# Altium PCB CarrierBoard.PcbDoc (part 2 of 2)
Units mil, origin at the board's own origin, x right, y up, seen from the top; angles counter-clockwise.
Board outline 6375.03 x 4175.03 mil, 4 copper layers (Top Layer, GND1, GND2, Bottom Layer), stack 53.912 mil thick; 102 components, 84 nets, 400 pads, 390 vias.
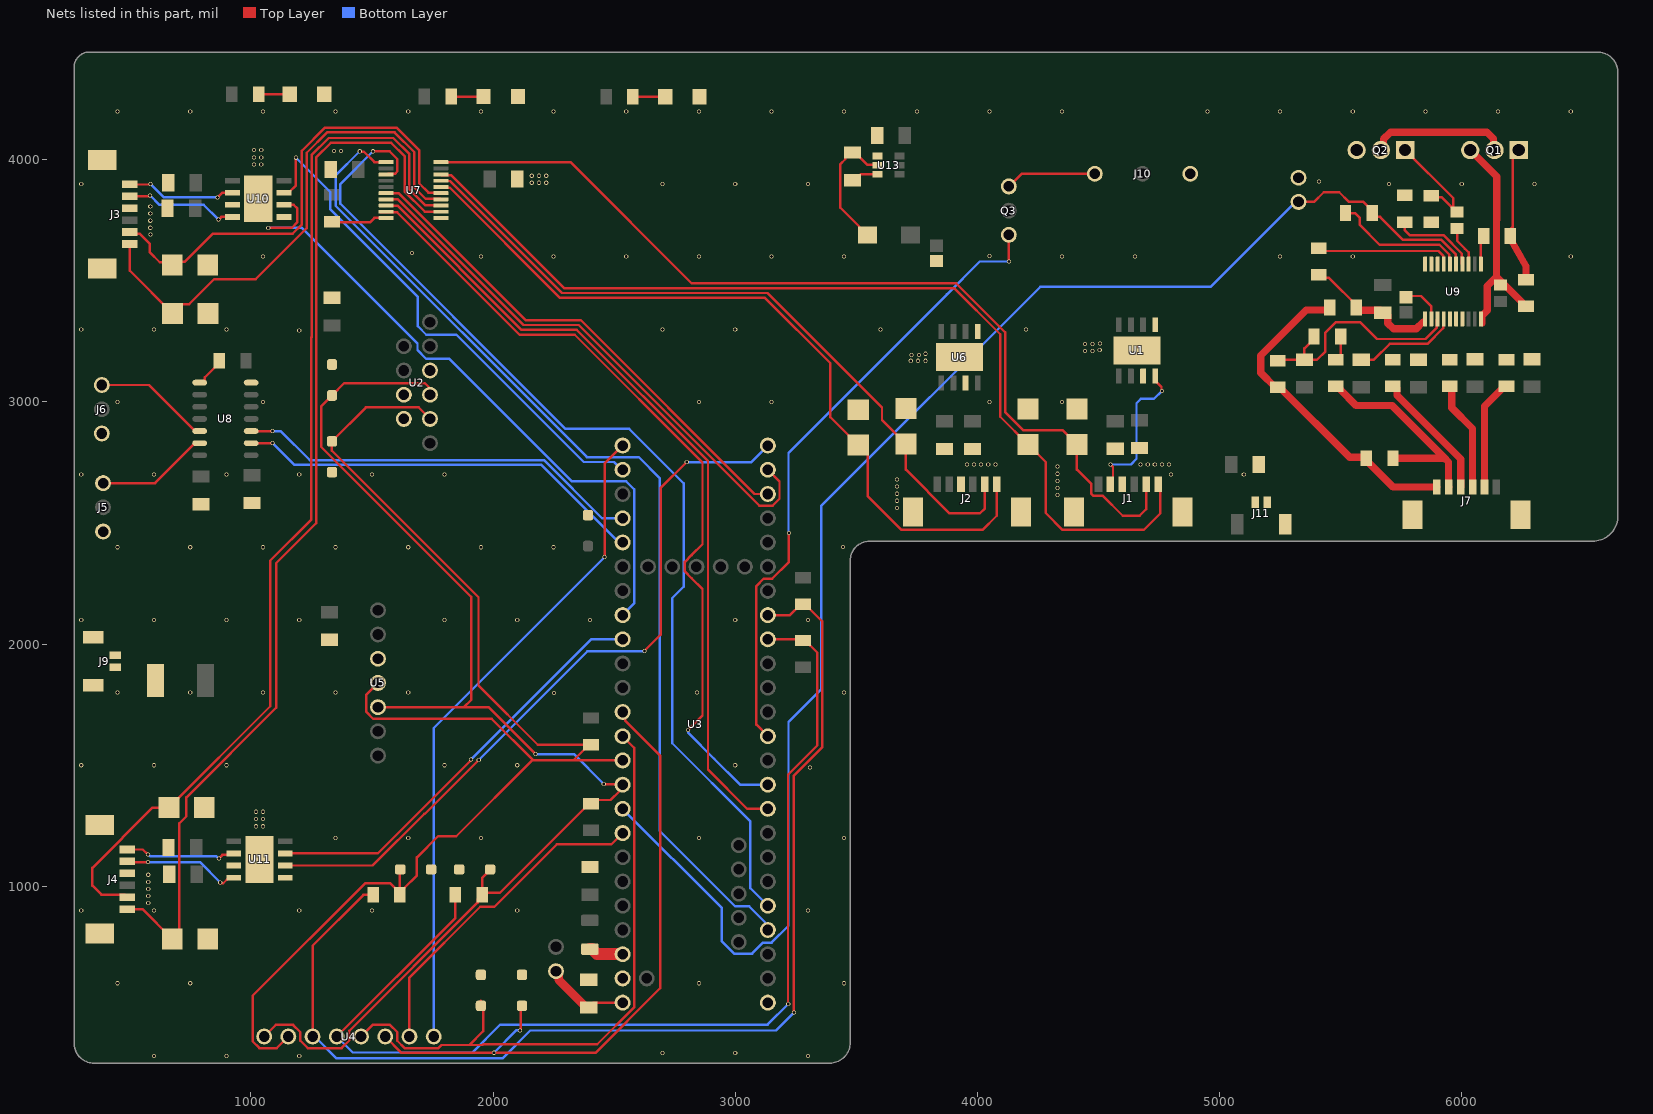
[diagram p4: the nets of this part, all layers, seen from the top]

## Via types
v1: diameter 17, hole 12, Top Layer to Bottom Layer, tented both sides, 385 vias
v2: diameter 130, hole 118.11, Top Layer to Bottom Layer, 5 vias

## Nets (pads, with @x,y where several pads share a name; then routed paths per layer and width w, separated by ;. In a path a pad name is that pad's centre, name@x,y a point inside that pad or via, vN(x,y) a via of type N, cw(c..) or ccw(c..) an arc to the next point about the centre after c; other vN are vias at no path point) (continued)
BR_OUT2: J1.2 U1.8 | length 635.6
  Top Layer w10: J1.2@4549.21,2660 4559.96,2670.75 4559.96,2731.14 4549.98,2741.12 v1(4549.98,2742) ; U1.8@4734,3106.7 4735.7,3105 4736,3105 4736,3086 4760.13,3061.87 4760.13,3047.79 v1(4762.05,3045.87)
  Bottom Layer w10: v1(4549.98,2742) 4633.5,2742 4656.91,2765.41 4656.91,2994.91 4675.1,3013.11 4729.28,3013.11 v1(4762.05,3045.87)
BR_PhaseA: U3.3 U7.1 | length 4258.3
  Top Layer w10: v1(1450,4035) 1451.91,4033.09 1467.23,4033.09 1510.16,3990.16 U7.1@1534.76,3990.16
  Bottom Layer w10: v1(1450,4035) 1350,3935 1350,3810 2387.78,2772.22 2601.78,2772.22 2687.78,2686.22 2687.78,1229.58 2999.58,917.78 3057.22,917.78 3124.37,850.63 3124.37,830.63 U3.3@3135,820
BR_PhaseB: U3.4 U7.3 | length 4304.9
  Top Layer w10: v1(1505,4035) 1573.17,4035 1604.91,4003.26 1604.91,3951.46 1594.94,3941.5 1567.26,3941.5 U7.3@1565.46,3939.7
  Bottom Layer w10: v1(1505,4035) 1370,3900 1370,3818.28 2299.28,2889 2562.43,2889 2787.78,2663.66 2787.78,2237.78 2740,2190 2740,1590.87 3062.7,1268.17 3062.7,992.3 U3.4@3135,920
CTRL1: U3.43 U8.2 | length 1703.5
  Top Layer w10: U8.2@1001.3,2830 v1(1090,2830)
  Bottom Layer w10: v1(1090,2830) 1180,2740 2200,2740 2520,2420 U3.43@2535,2420
CTRL2: U3.44 U8.3 | length 1682.8
  Top Layer w10: U8.3@1001.3,2880 v1(1090,2880)
  Bottom Layer w10: v1(1090,2880) 1123.28,2880 1243.28,2760 2210,2760 2450,2520 U3.44@2535,2520
FL_IN1: U3.39 U11.3 | length 1759.6
  Top Layer w10: U11.3@1142.3,1136 1524,1136 v1@1910,1522
  Bottom Layer w10: v1(1908.65,1523.56) 2405.09,2020 U3.39@2535,2020
FL_IN2: U3.23 U11.2 | length 3066.1
  Top Layer w10: U11.2@1142.3,1086 1502.77,1086 1716.68,1299.91 1718.91,1299.91 v1(1941,1522) ; v1(2625.65,1972.56) 2692.22,2039.13 2692.22,2644.22 v1(2800,2752)
  Bottom Layer w10: v1(1941,1522) 2390,1971 v1@2627,1971 ; v1(2800,2752) 3067,2752 U3.23@3135,2820
FL_OUT1: J4.1 U11.6 | length 466.6
  Top Layer w10: J4.1@490,1152.21 553.85,1152.21 575,1131.07 v1(575,1130.93) ; v1@865,1113 866,1113 882.78,1129.78 921.66,1129.78 U11.6@928.29,1136.41
  Bottom Layer w10: v1(575,1130.93) 577.71,1130.93 583.64,1125 856.37,1125 865.69,1115.68 v1(868.39,1115.68)
FL_OUT2: J4.2 U11.8 | length 481.7
  Top Layer w10: J4.2@493,1100 v1(575,1100) ; v1@872,1013 886.18,1013 909.59,1036.41 U11.8@928.29,1036.41
  Bottom Layer w10: v1(575,1100) 790.29,1100 v1(874,1016.29)
FL_PhaseA: U3.8 U7.8 | length 3378
  Top Layer w10: U7.8@1534.76,3811.02 1605.09,3811.02 2118.34,3297.78 2345.66,3297.78 2887.78,2755.66 2887.78,1482.22 3050,1320 U3.8@3135,1320
FL_PhaseB: U3.9 U7.9 | length 3374.8
  Top Layer w10: U7.9@1537.28,3782.91 1604.91,3782.91 2110.05,3277.78 2337.37,3277.78 2865,2750.15 2865,2412.56 2820,2367.56 2792.22,2339.79 2792.22,2300.21 2820,2272.44 2865,2227.44 2865,1705 v1(2805,1645)
  Bottom Layer w10: v1(2805,1645) 2806.91,1643.09 2806.91,1633.09 2913.46,1526.54 3020,1420 U3.9@3135,1420
FR_IN1: U3.46 U10.3 | length 2172.7
  Top Layer w10: U10.3@1137,3864 1155.7,3864 1186,3894.3 v1@1186,4010
  Bottom Layer w10: v1(1185.87,4008.64) 1328.6,3865.9 1328.6,3795.4 1690,3434 1690,3312.44 1724.66,3277.78 1849.22,3277.78 2374.78,2752.22 2499.66,2752.22 2531.88,2720 U3.46@2535,2720
FR_IN2: U3.40 U10.2 | length 2760.4
  Top Layer w10: v1(1072,3719) 1169,3719 1190.94,3740.94 1190.94,3800.39 1177.33,3814 U10.2@1137,3814
  Bottom Layer w10: v1(1072,3719) 1210.7,3719 1688.26,3241.43 1688.26,3214.17 1724.66,3177.78 1820.51,3177.78 2326.06,2672.22 2550.34,2672.22 2582.78,2639.79 2582.78,2167.78 U3.40@2535,2120
FR_OUT1: J3.1 U10.6 | length 457
  Top Layer w10: J3.1@500,3898.43 500.43,3898 v1@585,3898 ; v1(863,3845) 882.41,3864.41 U10.6@927.29,3864.41
  Bottom Layer w10: v1(586.44,3900.34) 641.78,3845 v1(863,3845)
FR_OUT2: J3.2 U10.8 | length 475.5
  Top Layer w10: J3.2@500,3849.21 582.21,3849.21 v1@584,3851 ; v1@865,3751 878.41,3764.41 U10.8@927.29,3764.41
  Bottom Layer w10: v1(584.55,3852.44) 622.99,3814 805.78,3814 v1(866.44,3753.34)
FR_PhaseA: U3.21 U7.6 | length 2114.8
  Top Layer w10: U7.6@1534.76,3862.2 1610.47,3862.2 2134.9,3337.78 2362.22,3337.78 3080,2620 U3.21@3135,2620
FR_PhaseB: U3.22 U7.7 | length 2322.9
  Top Layer w10: U7.7@1534.76,3836.61 1607.78,3836.61 2126.62,3317.78 2353.94,3317.78 3099.49,2572.22 3154.79,2572.22 3182.78,2600.21 3182.78,2672.22 U3.22@3135,2720
GND: C7.1 C8.1 C10.1 C12.1 C13.1 C14.1 C15.1 C16.2 C17.2 C18.2 C19.2 C20.2 C21.2 C22.2 C23.2 C24.2 C25.2 C26.2 C27.2 D0.C D1.C D2.C D3.C D4.C D5.C D6.C D7.2 D8.2 D9.2 D10.2 D11.2 D12.2 D13.2 D14.2 D16.2 D17.2 D18.2 J1.3 J1.S1 J1.S2 J2.3 J2.S1 J2.S2 J3.3 J3.S1 J3.S2 J4.3 J4.S1 J4.S2 J5.1 J6.1 J7.S1 J7.S2 J9.2 J9.S1 J9.S2 J10.0 J11.1 J11.2 J11.S1 Q2.3 R18.1 R19.1 TH1.2 U1.1 U1.7 U1.9 U2.2 U2.6 U2.7 U3.0 U3.25 U5.2 U6.1 U6.7 U6.9 U7.11 U8.7 U9.18 U9.19 U9.20 U10.1 U10.7 U10.9 U11.1 U11.7 U11.9 U13.4
  other v1: 600,300 900,300 1200,300 3300,300 2700,312.5 3000,312.5 450,600 750,600 2850,600 3450,600 300,900 600,900 1200,900 1500,900 2100,900 3300,900 576.7,931.04 576.7,960.29 576.7,989.54 576.7,1018.79 576.7,1048.04 1350,1200 1650,1200 1950,1200 2850,1200 3450,1200 1021.75,1248 1051,1248 1021.75,1278 1051,1278 1021.75,1308 1051,1308 3309.21,1490.79 300,1500 600,1500 900,1500 1800,1500 2100,1500 3000,1500 2251.12,1798.88 450,1800 750,1800 1050,1800 1350,1800 1650,1800 2841.5,1800 3450,1800 300,2100 600,2100 900,2100 1200,2100 1800,2100 2100,2100 2400,2100 3000,2100 3300,2100 450,2400 750,2400 1050,2400 1350,2400 1650,2400 1950,2400 2250,2400 3445.87,2401.43 3668,2562.75 3668,2592 4331,2616 3668,2621.25 4331,2645.25 3668,2650.5 4331,2674.5 3668,2679.75 300,2700 600,2700 900,2700 1200,2700 1500,2700 1800,2700 4800,2700 5100,2700 4331,2703.75 4331,2733 3957,2742 3986.25,2742 4015.5,2742 4044.75,2742 4074,2742 4674,2742 4703.25,2742 4732.5,2742 4761.75,2742 4791,2742 450,3000 1050,3000 2850,3000 3150,3000 4050,3000 4350,3000 3725,3170 3755,3170 3785,3170 3728,3194 3758.17,3194.5 3785,3199.25 4445,3210 4475,3210 4505,3214.25 4445,3239.25 4475,3239.25 4506,3242 1200,3295 300,3300 600,3300 900,3300 2700,3300 3000,3300 3600,3300 4200,3300 1050,3600 1950,3600 2250,3600 2550,3600 2850,3600 3150,3600 3450,3600 4350,3600 4650,3600 5250,3600 5550,3600 6450,3600 4050,3603.5 1665.1,3615.1 586.12,3691.12 585,3719.25 585,3748.5 585,3777.75 585,3807 300,3900 2700,3900 3000,3900 3300,3900 5700,3900 6000,3900 6300,3900 2160,3905 2190,3905 2220,3905 5410.32,3910.32 2160,3934.25 2190,3934.25 2220,3934.25 1013.75,3980 1043,3980 1013.75,4010 1043,4010 1342.88,4035.79 1372.13,4035.79 1013.75,4040 1043,4040 450,4200 750,4200 1050,4200 1350,4200 1650,4200 1950,4200 2250,4200 2550,4200 2850,4200 3150,4200 3450,4200 3750,4200 4050,4200 4350,4200 4950,4200 5250,4200 5550,4200 5850,4200 6150,4200 6450,4200
Headlight: Q3.0 U3.11 | length 2611.5
  Top Layer w10: U3.11@3135,1620 3087.22,1667.78 3087.22,2239.79 3117.44,2270 3152.57,2270 3221.54,2338.98 v1(3221.54,2458.28) ; v1(4130,3580) Q3.0@4130,3690
  Bottom Layer w10: v1@3220,2460 3220,2790 3874.2,3444.2 4010,3580 v1(4130,3580)
I2C1_SCL: D2.A D6.A DNP1.1 R1.1 U2.4 U3.34 U4.28 U5.3 | length 5759.8
  Top Layer w10: U4.28@1155,380 1107.22,332.22 1035.21,332.22 1007.22,360.21 1007.22,548.22 1471.48,1012.48 1576.5,1012.48 DNP1.1@1615.12,973.86 ; U5.3@1525,1840 1477.22,1792.22 1477.22,1720.21 1505.21,1692.22 1994.49,1692.22 2166.72,1520 2161.14,1520 1848.07,1206.93 1773.07,1206.93 1685.57,1119.43 1685.57,1044.43 1633.74,992.6 1633.74,992.48 1615.24,973.98 DNP1.1@1615.12,973.98 ; 1615,1010.12 D2.A@1615,1052.01 ; DNP1.1@1615.12,965 DNP1.1@1615.12,973.86 ; 1615.12,1010.12 DNP1.1@1615.12,973.98 ; U2.4@1734,2937 1693.17,2977.83 1475.07,2977.83 D6.A@1335,2837.76 1335,2798.59 1940,2193.59 1940,1830 2185,1585 R1.1@2396.14,1585 ; 2170,1520 2331.14,1520 ; R1.1@2405,1585 R1.1@2396.14,1585 ; U3.34@2535,1520 2331.14,1520 ; DNP1.1@1615.12,973.86 DNP1.1@1615.12,973.98 ; 2331.14,1520 R1.1@2396.14,1585
I2C1_SDA: D3.A D5.A DNP2.1 R2.1 U2.3 U3.33 U4.27 U5.4 | length 5338.8
  Top Layer w10: U4.27@1055,380 1102.78,427.78 1174.79,427.78 1205,397.56 1205,362.44 1235.21,332.22 1374.79,332.22 1407.22,364.66 1407.22,403.94 1936.5,933.21 1936.5,946.38 DNP2.1@1955.12,965 ; U5.4@1525,1740 1880,1740 ; U2.3@1747,3049 1718.17,3077.83 1385.82,3077.83 D5.A@1335,3027.01 1290,2982.01 1290,2815.31 1910,2195.31 1910,1770 1880,1740 ; D3.A@1995,1075 1955,1035 1955,965.12 DNP2.1@1955.12,965 ; v1(2176.04,1546.04) 1982.07,1740 1880,1740 ; R2.1@2405,1341.93 2419.69,1356.62 2485.26,1356.62 2523.67,1395.04 2523.67,1411.33 U3.33@2515,1420 ; R2.1@2405,1345.12 2399.33,1345.12 2377.52,1323.31 2377.52,1322.76 2027.65,972.88 1963,972.88 DNP2.1@1955.12,965 ; v1(2457.24,1422.6) 2458.54,1421.3 2533.7,1421.3 U3.33@2535,1420
  Bottom Layer w10: v1(2176.04,1546.04) 2333.81,1546.04 v1(2457.24,1422.6)
I2C_Backup_SCL: DNP2.2 R3.1 U3.15 U4.5 | length 4490.4
  Top Layer w10: U4.5@1355,380 1844.88,869.88 DNP2.2@1844.88,965 ; U3.15@3135,2020 3275.12,2020 R3.1@3280,2015.12 3288.86,2015.12 3339,1964.98 3339,1582.1 3218,1461.1 3218,515 v1(3219,514)
  Bottom Layer w10: U4.5@1355,380 1421,314 1915,314 2030,429 3134,429 v1(3219,514)
I2C_Backup_SDA: DNP1.2 R4.1 U3.16 U4.3 | length 4751.7
  Top Layer w10: U4.3@1255,380 1255,755 1465,965 DNP1.2@1504.88,965 ; U3.16@3135,2120 3226.26,2120 3271.14,2164.88 R4.1@3280,2164.88 3288.86,2164.88 3359,2094.74 3359,1573.82 3242.5,1457.32 3242.5,479.5 v1(3243,479)
  Bottom Layer w10: U4.3@1255,380 1264,380 1354.5,289.5 2038.5,289.5 2154,405 3169,405 v1(3243,479)
NetC1_2: C1.2 DNP5.2 R7.2 U9.1 | length 550.9
  Top Layer w10: DNP5.2@5410,3524.88 5422.53,3512.35 5451.62,3512.35 5573.06,3390.91 R7.2@5573.06,3385.13 ; U9.1@5845.77,3339.95 U9.1@5848.84,3343.02
  Top Layer w30: R7.2@5573.06,3385.13 5579.43,3378.76 5664.16,3378.76 C1.2@5674,3368.91 ; C1.2@5683.84,3368.91 5694.43,3358.32 5694.43,3325.57 5717.92,3302.08 5812.08,3302.08 5840,3330
NetC2_2: C2.2 DNP4.1 R8.2 U9.4 | length 535.3
  Top Layer w10: R8.2@5480,3175.12 5481.38,3175.12 5500,3193.74 DNP4.1@5500,3270 ; C2.2@5585,3175 5637.57,3175 5702.57,3240 5858.7,3240 5923.1,3304.39 5923.1,3340.5 U9.4@5925.62,3343.02
NetC3_2: C3.2 R9.2 U9.5
NetC4_2: C4.2 R10.2 U9.6
NetC5_2: C5.2 R11.2 U9.7
NetC6_2: C6.2 DNP4.2 R13.2 U9.3 | length 966.9
  Top Layer w10: R13.2@5240,3170.24 5243.94,3174.17 C6.2@5350,3174.17 ; DNP4.2@5389.76,3270 5389.76,3261.14 5350,3221.38 C6.2@5350,3174.17 ; U9.3@5900.02,3343.02 5897.5,3340.5 5897.5,3307.09 5850.42,3260 5650,3260 5580,3330 5480,3330 5436.69,3286.69 5436.69,3209.13 5401.74,3174.17 C6.2@5350,3174.17
NetC9_1: C9.1 L2.1 U13.5 | length 549.2
  Top Layer w10: L2.1@3546.42,3690 3542.48,3690 3512.05,3720.43 3512.05,3724.37 3434.57,3801.85 3434.57,3982 3454.57,4002 3454.57,4009.41 3475.16,4030 C9.1@3485,4030 3494.84,4030 3545.71,3979.14 3583.99,3979.14 U13.5@3593.75,3969.38
NetC9_2: C9.2 U13.6 | length 119.9
  Top Layer w10: C9.2@3485,3915.83 3494.84,3915.83 3519.61,3940.6 U13.6@3594.69,3940.6
NetC11_1: C11.1 U9.2 | length 173.3
  Top Layer w10: C11.1@5770.5,3437.5 5831.5,3437.5 5874.43,3394.57 U9.2@5874.43,3343.02
NetC21_1: C21.1 J8.2 U3.24 | length 360
  Top Layer w10: C21.1@2395,500 2415,520 U3.24@2535,520
  Top Layer w35: J8.2@2260,650 2270.63,639.37 2270.63,614.53 2385.16,500 C21.1@2395,500
NetD7_1: D7.1 J1.5 U7.20 | length 3909
  Top Layer w10: U7.20@1784.99,3990.16 2319.84,3990.16 2820,3490 3912.28,3490 4114.38,3287.9 4114.38,2958.1 4189.68,2882.8 4353.08,2882.8 4372.5,2863.39 4372.5,2862.8 4410.42,2824.88 D7.1@4411,2824.88 4411,2721 4469.25,2662.75 4469.25,2622.29 4478.04,2613.5 4516.95,2613.5 4600.46,2530 4670,2530 4696.85,2556.85 J1.5@4696.85,2660
NetD8_1: D8.1 J1.6 U7.18 | length 4052.7
  Top Layer w10: U7.18@1784.99,3938.98 1787.51,3936.46 1827.11,3936.46 2293.57,3470 3904,3470 4094.38,3279.62 4094.38,2938.92 4208.42,2824.88 D8.1@4209,2824.88 4209.58,2824.88 4247.5,2786.96 4247.5,2786.38 4282,2751.88 4282,2541.83 4352.05,2471.77 4686.77,2471.77 4755,2540 4755,2651.06 J1.6@4746.06,2660
NetD9_1: D9.1 J2.5 U7.17 | length 3015.6
  Top Layer w10: U7.17@1784.99,3913.39 1786.04,3912.34 1822.95,3912.34 2285.28,3450 3133.76,3450 3606,2977.76 3606,2925.88 3666.5,2865.39 3666.5,2864.8 3704.42,2826.88 D9.1@3705,2826.88 3705,2720.48 3885.48,2540 4010,2540 4030.79,2560.79 J2.5@4030.79,2660
NetD10_1: D10.1 J2.6 U7.16 | length 3267.3
  Top Layer w10: U7.16@1784.99,3887.8 1787.39,3885.4 1821.6,3885.4 2277,3430 3123,3430 3393,3160 3393,2936.88 3469.5,2860.39 3469.5,2859.8 3507.42,2821.88 D10.1@3508,2821.88 ; D10.1@3508.58,2821.88 3546.5,2783.96 3546.5,2611.26 3685.99,2471.77 4021.77,2471.77 4080,2530 J2.6@4080,2660
NetD11_1: D11.1 J3.5 U7.15 | length 1967.5
  Top Layer w10: J3.5@500,3701.57 506.21,3695.36 540.64,3695.36 583.49,3652.51 583.49,3617.12 623.82,3576.79 665.09,3576.79 D11.1@675.88,3566 689.35,3579.47 727.95,3579.47 843.48,3695 1173.28,3695 1210.94,3732.65 1210.94,4037.22 1306.72,4133 1601.85,4133 1695,4039.85 1695,3903 1733.28,3864.72 1782.47,3864.72 U7.15@1784.99,3862.2
NetD12_1: D12.1 J3.6 U7.14 | length 2160.3
  Top Layer w10: J3.6@500,3652.36 500,3542.46 D12.1@676.88,3365.58 ; D12.1@676.88,3365 D12.1@676.88,3365.58 ; U7.14@1784.99,3836.61 1782.47,3839.13 1721.87,3839.13 1675,3886 1675,4031.57 1593.57,4113 1315,4113 1230.94,4028.94 1230.94,3717.94 1020.5,3507.5 849,3507.5 745.01,3403.5 714.8,3403.5 D12.1@676.88,3365.58
NetD13_1: D13.1 J4.5 U7.13 | length 4329
  Top Layer w10: J4.5@490,955.36 479.25,966.11 382.91,966.11 345.86,1003.16 345.86,1076.53 594.33,1325 D13.1@661.88,1325 661.88,1325.58 1080,1743.7 1080,2345 1250,2515 1250,3266.72 1250.94,3267.65 1250.94,4019.37 1321.57,4090 1588.28,4090 1655,4023.28 1655,3877.72 1720.97,3811.75 1754.51,3811.75 U7.13@1755.24,3811.02
NetD14_1: D14.1 J4.6 U7.12 | length 4425.1
  Top Layer w10: J4.6@490,906.15 552.32,906.15 675.88,782.58 D14.1@675.88,782 705,811.12 705,1260.48 734,1289.48 734,1367.23 1105,1738.23 1105,2335 1270,2500 1270,3255.07 1270.94,3256.01 1270.94,4011.08 1329.85,4070 1580,4070 1635,4015 1635,3869.43 1719,3785.43 U7.12@1755.24,3785.43
NetD16_1: D16.1 R28.2 | length 134
  Top Layer w10: R28.2@2577.12,4260 D16.1@2711.13,4260
NetD17_1: D17.1 R29.2 | length 134
  Top Layer w10: R29.2@1827.12,4261 D17.1@1961.13,4261
NetD18_1: D18.1 R30.2 | length 105.4
  Top Layer w10: 1055.74,4271 D18.1@1161.13,4271
NetDNP3_1: DNP3.1 J7.2 R8.1 | length 915.6
  Top Layer w30: R8.1@5480,3064.88 5488.86,3064.88 5497.48,3056.26 5497.48,3051.97 5564.45,2985 5713,2985 5930,2768 ; DNP3.1@5716.12,2768 5930,2768 ; J7.2@5946.18,2648.49 5945.43,2649.24 5945.43,2752.57 5930,2768
NetDNP5_1: DNP5.1 U9.17 | length 563
  Top Layer w10: DNP5.1@5410,3635.12 5421.62,3623.5 5904.54,3623.5 5923.1,3604.94 5923.1,3571.53 U9.17@5925.62,3569.01 U9.17@5925.31,3568.7
NetF1_1: F1.1 U3.26 | length 143.6
  Top Layer w50: F1.1@2400,740.75 2409.45,740.75 2430.2,720 U3.26@2535,720
NetF2_2: F2.2 J9.1
NetJ5_3: J5.3 U8.13 | length 467
  Top Layer w10: J5.3@390,2665 605,2665 770,2830 U8.13@788.7,2830
NetJ6_3: J6.3 U8.12 | length 482.4
  Top Layer w10: J6.3@385,3070 580,3070 770,2880 U8.12@788.7,2880
NetJ7_3: J7.3 R9.1 | length 537.7
  Top Layer w30: R9.1@5715,3064.88 5723.86,3064.88 5732.48,3056.26 5732.48,3027.52 5995.39,2764.61 J7.3@5995.39,2648.49
NetJ7_4: J7.4 R10.1 | length 455.7
  Top Layer w30: R10.1@5950,3064.88 5950.24,3064.88 5958.86,3056.26 5958.86,2976.14 6044.61,2890.39 J7.4@6044.61,2648.49
NetJ7_5: J7.5 R11.1 | length 459.5
  Top Layer w30: J7.5@6093.82,2648.49 6093.82,2982.68 6176.14,3065 R11.1@6185,3065
NetJ10_2: J10.2 Q3.2 | length 376.5
  Top Layer w10: Q3.2@4130,3890 4182,3942 J10.2@4485,3942
NetQ1_1: Q1.1 R14.2 R17.1 | length 563.5
  Top Layer w10: R14.2@6203.74,3692.62 6203.74,3715.79 6210,3722.05 6210,4011 Q1.1@6233,4034
  Top Layer w30: R14.2@6203.74,3692.62 6195.12,3684 6265,3560.27 R17.1@6265,3504.56
NetQ1_2: Q1.2 Q2.2 | length 575.4
  Top Layer w10: Q2.2@5666,4040 Q2.2@5676.33,4050.33 ; Q1.2@6131.06,4043.94 Q1.2@6135,4040
  Top Layer w30: Q2.2@5676.33,4050.33 5676.33,4084.33 5706,4114 6104,4114 6131.06,4086.94 Q1.2@6131.06,4043.94
NetQ1_3: Q1.3 R17.2 R31.2 U9.10 | length 962.7
  Top Layer w25: U9.10@6085,3325 6085,3343.02 6085,3357.57 6087.43,3360
  Top Layer w30: Q1.3@6035,4040 6144,3931 6144,3751.92 ; U9.10@6086.64,3360 6087.43,3360 6105,3377.57 6105,3478.88 6143,3516.88 ; 6143,3751.92 6143,3516.88 ; R17.2@6265,3394.88 6256.14,3394.88 6247.52,3403.5 6247.52,3412.36 6169.96,3489.92 6143,3516.88
NetQ2_1: Q2.1 R15.2 R18.2 | length 455.1
  Top Layer w10: Q2.1@5766,4040 5965.1,3840.9 5965.1,3800.59 R15.2@5980.57,3785.12 ; R18.2@5874,3852.24 5880.11,3846.13 5915.62,3846.13 R15.2@5963.13,3798.62
NetR5_2: R5.2 U7.10 | length 208.6
  Top Layer w10: R5.2@1335,3744.88 1338.18,3741.7 1492.02,3741.7 1510.16,3759.84 U7.10@1534.76,3759.84
NetR6_1: R6.1 U8.8 | length 132.4
  Top Layer w10: U8.8@788.7,3080 803.72,3080 810.01,3086.29 810.01,3101.27 869.88,3161.14 R6.1@869.88,3170
NetR12_1: R12.1 TH1.1 U3.32 U9.15 | length 6164.4
  Top Layer w10: TH1.1@5326,3826 5390,3826 5430,3866 5494,3866 5532.52,3827.48 5591.5,3827.48 5630.12,3788.86 5630.12,3771.14 5637.14,3764.12 5662.88,3764.12 5758,3669 5915.61,3669 5974.28,3610.33 5974.28,3571.53 U9.15@5976.8,3569.01
  Bottom Layer w10: U3.32@2535,1320 2945,910 2945,772.36 2995.13,722.22 3069.66,722.22 3115.21,767.78 3150.34,767.78 3220,837.44 3220,1678.57 3355,1813.57 3355,2570.36 4259.64,3475 4962,3475 5313,3826 TH1.1@5326,3826
NetR12_2: R12.2 U9.16 | length 556.6
  Top Layer w10: R12.2@5519.88,3780 5558.5,3780 5579.39,3759.11 5579.39,3730.61 5661,3649 5907.32,3649 5948.69,3607.64 5948.69,3571.53 U9.16@5951.21,3569.01
NetR14_1: R14.1 U9.11 | length 96.9
  Top Layer w10: U9.11@6079.16,3569.01 R14.1@6079.16,3665.88
NetR15_1: R15.1 U9.13 | length 166.8
  Top Layer w10: R15.1@5980.57,3716.22 5980.57,3665.46 6012.48,3633.55 6012.48,3633.47 6027.98,3617.98 U9.13@6027.98,3569.01
NetR19_2: R19.2 U9.14 | length 354.3
  Top Layer w10: R19.2@5764,3742.88 5764,3709.42 5784.42,3689 5923.89,3689 5999.87,3613.03 5999.87,3571.53 U9.14@6002.39,3569.01
PACK+: DNP3.2 J7.1 R7.1 R13.1 | length 1352.7
  Top Layer w30: R7.1@5446.26,3380 5358.31,3380 5170,3191.69 5170,3121.14 5231.14,3060 R13.1@5240,3060 5248.86,3060 5537.26,2771.6 5602.28,2771.6 DNP3.2@5605.88,2768 5605.88,2759.14 5716.54,2648.49 J7.1@5896.97,2648.49
UART1_CTS: U3.31 U4.36 | length 1370.5
  Top Layer w10: U4.36@1655,380 1655,623.43 1947.57,916 2006,916 2263.06,1173.06 2488.06,1173.06 U3.31@2535,1220
UART1_RTS: U3.47 U4.11 | length 2762.5
  Top Layer w10: v1(2460.67,2359.46) 2460.67,2745.67 U3.47@2535,2820
  Bottom Layer w10: U4.11@1755,380 1755,1653 v1@2460.84,2358.84
UART1_RX: D1.A U3.35 U4.8 | length 2622.6
  Top Layer w10: U4.8@1455,380 1502.78,427.78 1574.79,427.78 1604.61,397.95 1604.61,362.82 1635.21,332.22 1774.79,332.22 1787.56,345 1902.78,345 ; D1.A@1950,507.01 D1.A@1950,527.01 ; D1.A@1960,507.01 1960,402.22 1902.78,345 ; U3.35@2535,1620 2582.78,1572.22 2582.78,500.21 2430.56,348 1960.37,348 1957.37,345 1902.78,345
UART1_TX: D0.A U3.36 U4.10 | length 2731.3
  Top Layer w10: U4.10@1555,380 1622.78,312.22 1847.22,312.22 1848,313 v1(2004,313) ; v1@2004,312.22 2423.07,312.22 2690,579.15 2690,1540 2545.63,1684.37 2545.63,1709.37 U3.36@2535,1720 ; v1(2112.18,405.5) 2113.52,406.84 2113.52,411.79 2114.09,412.36 2114.09,501.1 D0.A@2120,507.01
  Bottom Layer w10: v1(2004,313) 2097.72,406.72 2110.96,406.72 v1(2112.18,405.5)
pads on no net: U2.1 U2.5 U2.8 U3. U3.1 U3.2 U3.6 U3.10 U3.12 U3.13 U3.14 U3.19 U3.20 U3.27 U3.28 U3.37 U3.38 U3.42 U3.45 U5.1 U5.5 U8.4 U8.5 U8.6 U8.9 U8.10 U8.11 U9.12
copper on no net:
  other v2: 3343,413 430.97,430.64 6505,2549 434.26,4298.19 6502,4310

## Polygon pours and split planes (outlines as drawn)
5V on GND1 "5V_L02_P001" (solid, pour order 1): 4870,2975 4870,2610 4820,2560 2870,2565 1165,860 0,860 0,4451.26 5068.56,4446.44 5255,4260 5255,3360
3V3 on GND1 "3V3_L02_P027" (solid, pour order 27): 251,253 253,255 3530,255 3530,2332 3536,2338 6754,2338 6754,4571 107,4571 107,252
5V on GND1 "5V_L02_P000" (solid, pour order 0): 3645,3945 3645,3640 3665,3620 3920,3620 3920,3930 3905,3945
12V on GND2 "12V_L03_P003" (solid, pour order 3): 5068.56,4446.44 5255,4260 5255,3360 4615,2720 3025,2720 1165,860 0,860 0,4451.26
GND on GND2 "GND_L03_P025" (solid, pour order 25): 256,192 258,194 3535,194 3535,2271 3541,2277 6828,2277 6828,4582 112,4582 112,191
12V on Top Layer "12V_L01_P013" (solid, pour order 13): 786,1954 753,1921 753,1772 770,1755 947,1755 947,1953
GND on Top Layer "GND_L01_P044" (solid, remove dead copper, pour order 44): 5394,2915.8 5699.8,2610 6700.36,2610 6750,2560.36 6750,2340 6695,2285 3569.5,2285 3563.5,2279 3563.5,202 286.5,202 284.5,200 140.5,199 140.5,4585 6729,4585 6729,3510 5510,3510 5394,3394
12V on Top Layer "12V_L01_P008" (solid, pour order 8): 834.43,1131.5 834.43,1013.5 734.43,1013.5 724.43,1023.5 724.43,1233.5 734.93,1244 734.43,1244.5 959.43,1242.59 959.43,1172.5 926.43,1172.5 885.43,1131.5
12V on Top Layer "12V_L01_P009" (solid, pour order 9): 834.43,3861.5 834.43,3743.5 734.43,3743.5 724.43,3753.5 724.43,3963.5 734.93,3974 734.43,3974.5 959.43,3972.59 959.43,3902.5 926.43,3902.5 885.43,3861.5
12V on Top Layer "12V_L01_P011" (solid, pour order 11): 3917,2989.09 4035,2989.09 4035,2889.09 4025,2879.09 3815,2879.09 3804.5,2889.59 3804,2889.09 3805.91,3114.09 3876,3114.09 3876,3081.09 3917,3040.09
Batt_GND on Top Layer "BATT_GND_L01_P041" (solid, remove dead copper, pour order 41): 5396,3403 5343,3403 5220,3280 5220,2964.4 5396,2788.4 5444.6,2788.4 5594,2639 5594,2636 5624.82,2605.18 6705.18,2605.18 6742,2640 6742,3536 5529,3536
NetC3_2 on Top Layer "NETC3_2_L01_P037" (solid, pour order 37): 5963.76,3302.08 5953.01,3276.99 5898,3231 5898,3150 5881,3133 5654,3133 5654,3201 5653,3202 5707.64,3256.64 5707.64,3317.64 5718,3328 5810.77,3328 5836.88,3301.88 5931.67,3301.88 5937,3307.21 5937,3374 5962.94,3374 5963.76,3305.64
NetC2_2 on Top Layer "NETC2_2_L01_P034" (solid, pour order 34): 5405,3315 5405,3145 5640,3145 5640,3225 5545,3225 5540,3230 5540,3315
12V on Top Layer "12V_L01_P012" (solid, pour order 12): 5074,3359 4891,3359 4889,2753 4889,2434 5161,2434 5161,2476 5074,2563
NetC4_2 on Top Layer "NETC4_2_L01_P021" (solid, pour order 21): 5987.54,3288.46 5995,3281 5995,3276 6031,3240 6055.46,3240 6100.43,3195.03 6100.43,3141.5 5903.92,3141.5 5902.93,3140.51 5902,3141.44 5902,3225 5904,3225 5966.05,3287.05 5966.05,3373 5987.54,3373
NetC5_2 on Top Layer "NETC5_2_L01_P036" (solid, pour order 36): 5989,3372 6014,3372 6014,3306.05 6042.05,3278 6079,3278 6129,3228 6335.43,3228 6335.43,3141.5 6142.64,3141.5 6118,3166.13 6118,3190.07 6065,3243.07 6065,3244 6027,3244 6000,3271 5990.57,3284.73 5989,3299
3V3 on Top Layer "3V3_L01_P016" (solid, pour order 16): 1407.75,3760 1290,3760 1290,3900 1300,3910 1350,3910 1380,3940 1380,4000 1400,4020 1550,4020 1592.07,3977.93 1592.07,3944.69 1496.92,3944.69 1444.71,3892.47 1444.71,3796.96
5V on Top Layer "5V_L01_P031" (solid, pour order 31): 1720,3980 1720,3955 1795,3955 1890,3860 2040,3860 2040,3980
12V on Top Layer "12V_L01_P043" (solid, pour order 43): 4622,2990 4740,2990 4740,2890 4730,2880 4520,2880 4509.5,2890.5 4509,2890 4510.91,3115 4581,3115 4581,3082 4622,3041
5V on Top Layer "5V_L01_P046" (solid, pour order 46): 4621.1,2701.5 4621.1,2646.1 4593.5,2618.5 4574.17,2618.5 4574.17,2560.83 4590,2545 4675,2545 4691.73,2561.73 4691.73,2618.27 4675,2635 4675,2700
5V on Top Layer "5V_L01_P045" (solid, pour order 45): 3953.08,2705.17 3953.08,2622.17 3911.55,2622.17 3888.04,2598.67 3888.04,2548.67 4003.04,2548.67 4013.04,2558.67 4013.04,2703.67
5V on Top Layer "5V_L01_P014" (solid, pour order 14): 3640,3940 3930,3940 3930,3650 3900,3620 3640,3620
3V3 on Top Layer "3V3_L01_P015" (solid, pour order 15): 970,3330 ccw(c970,3300) 940,3300 940,3130 ccw(c950,3130) 950,3120 1040,3120 ccw(c1040,3130) 1050,3130 1050,3310 ccw(c1030,3310) 1030,3330
3V3 on Top Layer "3V3_L01_P017" (solid, pour order 17): 2180,1020 2197,1037 2460,1037 2460,910 2180,910
NetF2_2 on Top Layer "NETF2_2_L01_P018" (solid, pour order 18): 410,1930 410,1880 550,1740 690,1740 690,1910 670,1930
5V on Top Layer "5V_L01_P022" (solid, pour order 22): 535,979.21 380,979.21 380,1079.21 385,1084.21 445,1084.21 480,1049.21 480,1029.21 530.39,1029.21 531.5,1030.32
5V on Top Layer "5V_L01_P023" (solid, pour order 23): 475,3775 533.82,3775 541.5,3767.32 540,3720 390,3720 390,3820 465,3820 465,3785
5V on Top Layer "5V_L01_P030" (solid, pour order 30): 765,2805 645,2685 645,2605 850,2605 850,2805
12V on Top Layer "12V_L01_P033" (solid, pour order 33): 3850,4070 3845,4065 3845,3980 3665,3980 3660,3985 3660,4070
GND on Bottom Layer "GND_L04_P010" (solid, remove dead copper, pour order 10): 299.5,200 301.5,202 3578.5,202 3578.5,2279 3584.5,2285 6817,2285 6817,4625 155.5,4625 155.5,199

## Silkscreen, mask and mechanical layers (free items; w line width, h text height)
Top Overlay:
  drawing of 5 lines, arcs and shapes, not listed
  text "3.3V" at 1382,4251.67 h60
  text "FR" at 290,4250 h150 r270
  text "5V" at 2187,4246.67 h60
  text "12V" at 2938.62,4243.39 h60
  text "PAN" at 643.32,3028.73 h60 r270
  text "BR" at 4750,2770 h150
  text "Senior Design 2023" at 6574.98,2690 h80 r90
  text "BNO555 Interface" at 1549,2629.67 h60
  text "TILT" at 650,2620 h60 r270
  text "+" at 5660,2532.64 h100
  text "-" at 6337,2523.76 h100
  text "BL" at 3449,2469 h150
  text "12V IN" at 5340,2460 h100
  text "Jetson +12V" at 300,2270 h60 r270
  text "FL" at 300,1500 h150 r270
  text "! Remove before pluging in USB !" at 1838,702 h60
  text "Board 5V" at 2293,330 h60 r90
Bottom Overlay:
  lines w10: 3305.66,562.34 3330.16,537.84 ; 3319.16,576.84 3343.16,552.84 ; 3321,522 3342,522 3358,538 3358,561
Board Outline:
  lines w10: 270,345 ccw(c335.18,345) 289.09,298.91 296.79,291.21 ccw(c348,342.43) 348,270 3398,270 ccw(c3398,337.6) 3445.8,289.8 3453.08,297.08 ccw(c3400.16,350) 3475,350 3475,2351 cw(c3537.77,2351) 3493.38,2395.38 3505,2407 cw(c3548.46,2363.54) 3548.46,2425 3563,2425 6547,2425 ccw(c6547,2519.15) 6613.58,2452.58 6621,2460 ccw(c6563.06,2517.94) 6645,2517.94 6645,2523 6645,4368 ccw(c6579.82,4368) 6625.91,4414.09 6612.68,4427.32 ccw(c6570,4384.64) 6570,4445 329,4445 ccw(c329,4391.89) 291.44,4429.44 286.97,4424.97 ccw(c327.94,4384) 270,4384 270,345

## Text inside footprints (layer, text, board x,y; h text height)
J5: Top Overlay "GND" at 494,2449.67 h60; Top Overlay "VIN" at 494.06,2549 h60; Top Overlay "CTRL" at 494,2639.67 h60
J6: Top Overlay "GND" at 489,2854.67 h60; Top Overlay "VIN" at 489.06,2954 h60; Top Overlay "CTRL" at 489,3044.67 h60
Q3: Top Overlay "G" at 4073.25,3672.95 h60 r90; Top Overlay "D" at 4071.92,3778.95 h60 r90; Top Overlay "S" at 4073.25,3874.95 h60 r90
U2: Top Overlay "SDA" at 1905.08,3011.46 h60; Top Overlay "SCL" at 1905.08,2911.46 h60; Top Overlay "RST" at 1905.08,2811.46 h60; Top Overlay "GND" at 1905.08,3111.46 h60; Top Overlay "3V" at 1905.08,3211.46 h60; Top Overlay "VIN" at 1905.14,3310.8 h60; Top Overlay "ADR" at 1395.08,3110.8 h60; Top Overlay "PS0" at 1395.08,3011.46 h60; Top Overlay "PS1" at 1395.08,2911.46 h60; Top Overlay "INT" at 1395.08,3210.8 h60
U4: Top Overlay "I2C1_SDA" at 1069.21,467 h60 r90; Top Overlay "I2C1_SCL" at 1169.21,467 h60 r90; Top Overlay "I2C_SDA_Backup" at 1269.21,467 h60 r90; Top Overlay "I2C_SCL_Backup" at 1369.21,467 h60 r90; Top Overlay "UART1_TX" at 1469.21,467 h60 r90; Top Overlay "UART1_RX" at 1569.21,467 h60 r90; Top Overlay "UART1_CTS" at 1669.21,467 h60 r90; Top Overlay "UART1_RTS" at 1769.21,467 h60 r90
U13: Top Overlay "*" at 3713,3919 h50 r180